# KiCad board LightBlue.kicad_pcb (continued)
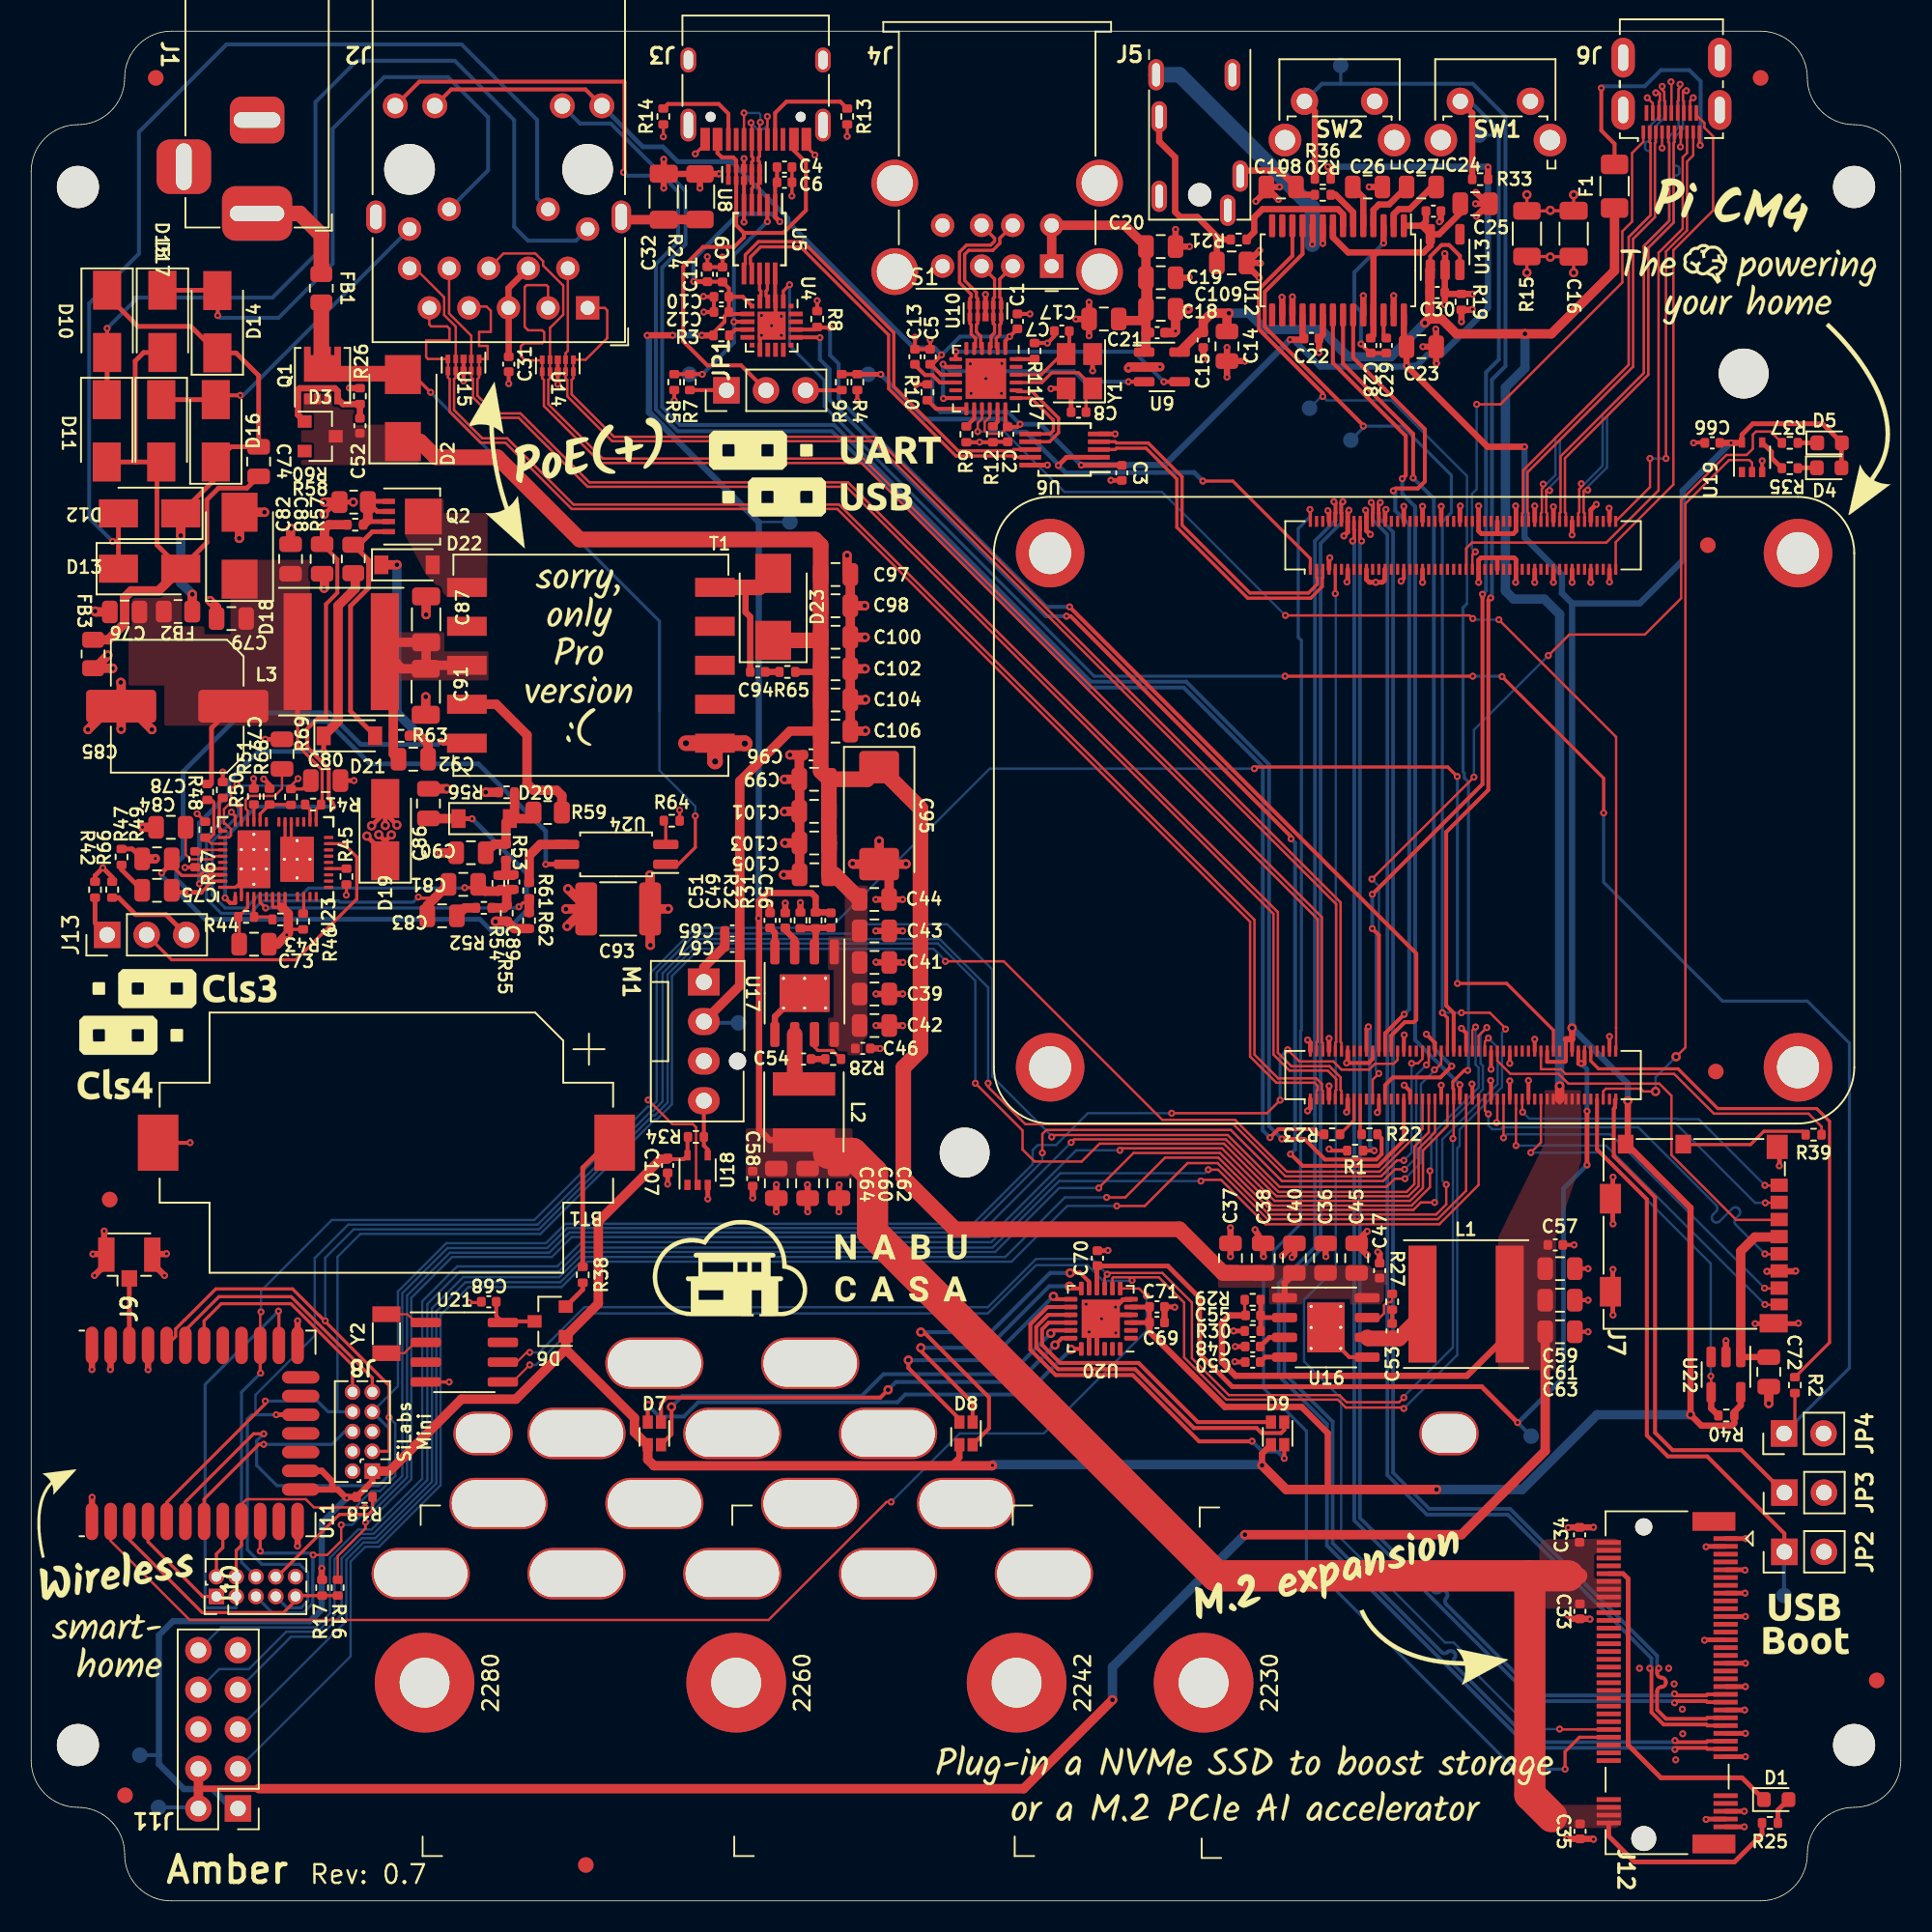
[diagram p0: board, top side]
## Routing (per net, layer and track width the routed paths; a pad name or vN(x,y) marks a point on that pad's centre or on a via; arc(x,y) is an arc through that point) (continued)
Net-(D9-Pad1): length 19.8
  Top w0.25: D9.1 74.88,30.72 71.08,34.52 66.04,34.52 64.88,35.68 64.88,36.69 65.31,37.11 U20.16 66.7,37.1
Net-(D9-Pad2): length 22.7
  Top w0.25: 80.62,30.72 80.6,30.75 ; D9.2 80.42,30.22 80.22,30.03 78.97,30.03 78.65,30.35 74.63,30.35 70.86,34.12 65.91,34.12 64.51,35.53 64.51,36.84 65.28,37.61 U20.15 66.67,37.57
Net-(D9-Pad3): length 24.8
  Top w0.25: v2(80.42,28.4) D9.3 ; 66.7,38.1 U20.14 65.24,38.11 64.13,37 64.13,35.37 65.76,33.75 70.7,33.75 74.96,29.49 78.35,29.49 v2(78.36,29.5)
  Bottom w0.25: v2(80.42,28.4) 80,28.83 79.03,28.83 v2(78.36,29.5)
Net-(D21-Pad1): length 28.3
  Top w0.25: U23.43 11.37,65.85 v2(10.8,65.28)
  Top w0.3: v2(18.77,73.78) D21.1
  Top w0.6: D21.1 19.7,75.7 19.7,83.12 20.8,84.22 20.8,85.21
  Bottom w0.3: v2(10.8,65.28) 10.8,69.18 12.7,71.08 12.7,71.89 14.58,73.78 v2(18.77,73.78)
Net-(D21-Pad2): length 16.3
  Top w0.3: 20.8,87.04 21.06,87.04 21.9,87.88 Q2.4 ; R57.2 21.65,86.06 21.65,84.26 20.5,83.11 20.5,76.35 22.08,74.78
Net-(F1-Pad2): length 17.4
  Top w0.2: v2(107.12,112.67) 107.07,112.72 J6.19
  Top w0.25: F1.2 101.62,112.78 100.78,113.62 v2(100.78,116.35)
  Bottom w0.25: v2(107.12,112.67) 107.15,112.7 107.15,116.77 106.43,117.5 104.6,117.5 103.57,116.47 100.89,116.47 v2(100.78,116.35)
Net-(FB1-Pad1): length 7.2
  Top w1: FB1.1 18.62,106.88 18.64,106.9 17.24,108.3 J1.1
Net-(J2-Pad16): length 106
  Top w0.25: R22.2 86.68,48.93 86.68,47.92 86.33,47.58 83.05,47.58 81.72,48.9 v2(80.28,48.9)
  Bottom w0.25: v2(80.28,48.9) 79.45,49.72 79.45,72.93 74.13,78.25 68.01,78.25 51.53,94.72 41.65,94.72 40.5,95.88 40.5,104.83 42,106.33 42,109.75 40.6,111.15 40.12,111.15 37.2,114.08 35.22,114.08 J2.16
Net-(J2-Pad18): length 116
  Top w0.25: J2.18 24.92,116.76 38.03,116.76 38.08,116.71 38.08,111 v2(38.02,110.94) ; R23.2 82.65,49.2 82.33,49.53 80.05,49.53 v2(79.51,48.99)
  Bottom w0.25: v2(38.02,110.94) 38.23,110.72 40.49,110.72 41.53,109.69 41.53,106.47 40.1,105.05 40.1,95.72 41.5,94.33 51.4,94.33 67.85,77.87 73.98,77.87 79.05,72.8 79.05,49.45 v2(79.51,48.99)
Net-(J3-PadA5): length 6.8
  Top w0.25: J3.A5 47.75,114.75 48.47,115.47 51.94,115.47 R13.2
Net-(J3-PadB5): length 6.2
  Top w0.25: R14.2 40.86,115.33 44.12,115.33 44.75,114.7 J3.B5
Net-(J7-Pad9): length 8.1
  Top w0.2: R39.1 113.67,49.39 111.21,49.39 110.35,48.54 106.19,48.54
Net-(J13-Pad1): length 2.7
  Top w0.3: R42.2 4.1,62.78 J13.1
Net-(J13-Pad3): length 5.7
  Top w0.3: J13.3 8.66,63.3 6.7,63.3 5.61,64.39 R66.2
Net-(JP1-Pad1): length 2.4
  Top w0.25: R7.1 44.61,96.97 JP1.1
Net-(JP1-Pad3): length 2.3
  Top w0.25: JP1.3 52.01,96.95 R6.1
Net-(M1-Pad4): length 3.6
  Top w0.25: 43.42,47.85 43.42,48.22 43.17,48.47 R34.1 43.17,51.36
Net-(Q2-Pad1): length 5.9
  Top w0.3: Q2.2 22.21,89.17 R60.1 21.66,89.83 Q2.1 ; 21.61,88.63 21.72,88.53 Q2.3
  Top w0.6: R60.1 21.61,88.63 R58.2
Net-(R1-Pad2): length 10.4
  Top w0.25: U1.20 85.7,55.97 v2(85.83,56.1) ; R1.2 v2(86.2,48.15)
  Bottom w0.25: v2(85.83,56.1) 85.92,56 85.92,48.43 v2(86.2,48.15)
Net-(R3-Pad2): length 1.3
  Top w0.25: U4.9 45.19,100.85 R3.2
Net-(R9-Pad2): length 1.3
  Top w0.25: U7.14 60.53,95.13 R9.2
Net-(R10-Pad2): length 2.7
  Top w0.25: U7.13 58.08,95.76 R10.2
Net-(R11-Pad2): length 1.2
  Top w0.25: R11.2 64.39,98.95 U7.24
Net-(R12-Pad2): length 1.3
  Top w0.25: R12.2 62.03,94.94 U7.17
Net-(R20-Pad1): length 2.8
  Top w0.4: U12.6 84.85,108.38 83.72,109.5 R20.1
Net-(R21-Pad1): length 8.4
  Top w0.4: U12.7 84.2,108.25 83.87,108.58 79.03,108.58 78.5,108.05 78.5,107.12 R21.1
Net-(R27-Pad1): length 2.8
  Top w0.15: U16.7 86.56,37.44 86.83,37.7 86.83,38.22 87.03,38.42 87.25,38.42 87.35,38.53 R27.1
Net-(R28-Pad1): length 2.8
  Top w0.2: U17.7 50.28,54.81 50.5,54.58 51.44,54.58 R28.1
Net-(R35-Pad2): length 2.2
  Top w0.3: U19.4 111.7,93 111.7,92.62 R35.2
Net-(R41-Pad2): length 1.2
  Top w0.2: U23.24 17.9,70.05 R41.2
Net-(R43-Pad2): length 2.5
  Top w0.2: R43.2 15.33,63.15 R44.2 14.3,63.17 U23.4
Net-(R45-Pad2): length 1.1
  Top w0.2: U23.17 R45.2
Net-(R46-Pad2): length 1.1
  Top w0.2: U23.11 17.49,63.41 R46.2
Net-(R50-Pad1): length 2.3
  Top w0.2: U23.36 12.08,68.87 12.08,70.56 R50.1
Net-(R51-Pad1): length 1.1
  Top w0.2: U23.32 R51.1
Net-(R59-Pad2): length 11.4
  Top w0.6: R59.2 34.06,70.94 33.73,71.28 32.25,71.28 31.83,71.7 31.83,74.83 29.85,76.8 T1.2
Net-(R61-Pad1): length 4.4
  Top w0.6: R61.1 31.97,67.09 32.67,67.8 U24.3
Net-(R64-Pad1): length 1.6
  Top w0.2: R64.1 40.73,69.2 U24.2
Net-(R67-Pad1): length 1.8
  Top w0.15: R67.1 10.62,67.45 U23.39
Net-(R68-Pad1): length 2.8
  Top w0.2: U23.31 14.7,69.76 R68.1 16.65,70.36 R69.1
Net-(U16-Pad5): length 1.9
  Top w0.25: U16.9 84.61,34.89 U16.5
Net-(U21-Pad1): length 2.7
  Top w0.127: Y2.1 24.15,37.65 24.69,37.11 U21.1
Net-(U21-Pad2): length 2.8
  Top w0.127: U21.2 24.65,35.84 23.95,35.15 Y2.2
unconnected-(U8-Pad5): length 0.8
  Top w0.25: U8.5 U8.6

## Copper pours and planes (outline as drawn; the poured copper is in the pictures)
+3.3VP on Top: 102.09,4.67 96.91,4.67 96.91,6.17 102.09,6.17
+3.3VP on Top: 45.86,46.39 45.86,49.58 52.72,49.58 52.72,46.36
+3.3VP on Top: 102.08,18.75 96.8,18.75 96.8,23.2 102.07,23.26
+5V on Top: 97.86,34.05 94.16,34.05 94.16,42.63 97.88,42.63
+5V on Top: 99.49,47.46 97.86,42.61 94.16,42.61 97.11,48.59 97.11,52.04 99.49,52.04
+12V on Top: 53.67,55.47 53.37,55.19 53.37,54.27 52.39,54.27 52.39,54.52 51.14,54.52 51.14,56.69 51.5,56.69 51.5,59.74 51.14,59.74 51.14,61.89 52.22,61.89 52.22,65.17 53.69,65.17
+12V on Top: 19.45,95.88 20.73,95.88 20.75,94.75 24.85,94.75 24.88,92.15 17.33,92.15 17.33,96.88 19.45,96.88
+12V on Top: 85.88,40.8 86.15,40.5 87.08,40.5 87.08,39.53 86.83,39.53 86.83,38.28 84.65,38.28 84.65,38.62 81.6,38.62 81.6,38.28 79.45,38.28 79.45,39.35 76.17,39.35 76.17,40.83
+48V on Top: 17.9,75.42 8.55,75.42 8.55,78 6.25,78 6.25,83.75 9.67,83.78 9.67,81.8 11.12,81.8 11.12,81.3 12.8,81.3 12.8,86.08 17.9,86.08
GND on In1.Cu: 116.9,0 90,0.03 90,4.97 3.15,4.98 3.15,55.08 38.77,55.08 38.74,73.81 35.89,73.81 35.9,86.13 29.71,92.15 16.83,92.15 16.83,106.26 -0.02,106.26 0,120 20.48,120 41.1,119.99 53.37,119.96 70.62,120 70.63,120 100.37,119.97 100.37,120 103.11,120 103.12,120 107.46,119.99 107.46,119.98 116.9,119.98
GND on In2.Cu: 116.9,0 90,0 90,4.97 3.15,4.98 3.15,55.03 38.81,55.03 38.78,73.8 35.9,73.79 35.89,86.13 29.71,92.15 16.83,92.15 16.83,106.26 -0.02,106.26 0,120 20.48,120 40.89,119.99 40.91,112.43 53,112.46 53.03,102.56 70.92,102.61 70.91,107.1 100.61,107.1 100.61,113.22 103.33,113.22 103.32,117.19 107.24,117.17 107.25,113.24 116.9,113.25
GND1 on In1.Cu: 15.32,90.64 26.53,90.64 26.58,89.12 30.43,89.15 32.35,87.25 32.31,71.88 35.4,71.88 35.4,60.2 3,60.2 3,104.8 15.32,104.8
GNDA on Bottom: 93.1,101.8 78.5,101.8 78.5,110.6 93.1,110.6
VSS on In2.Cu: 15.32,90.65 26.58,90.65 26.57,89.15 30.42,89.16 32.35,87.25 32.37,71.87 35.47,71.85 35.4,60.2 3,60.2 3,104.8 15.32,104.8
/PoE/N1A on Top: 26.48,89.08 29.3,89.08 29.27,83.67 26.7,83.67 25.33,85.15 23.98,87.7 23.98,90 26.48,90
/PoE/N1B on Top: 26.52,80.2 29.35,80.2 29.35,78.33 21.8,78.33 21.8,81.42 26.52,81.42
Earth on In2.Cu: 120,120.01 120,113.5 107.47,113.5 107.46,117.39 103.11,117.4 103.11,113.49 100.37,113.49 100.37,107.34 70.66,107.34 70.67,102.85 53.43,102.81 53.39,112.66 41.18,112.64 41.11,120 41.11,120.02

## Text on the board
F.Silkscreen: SiLabs / Mini | Rev: 0.7 | Amber
